# Altium PCB SensorMotherBoard.PcbDoc (part 2 of 2) (continued)
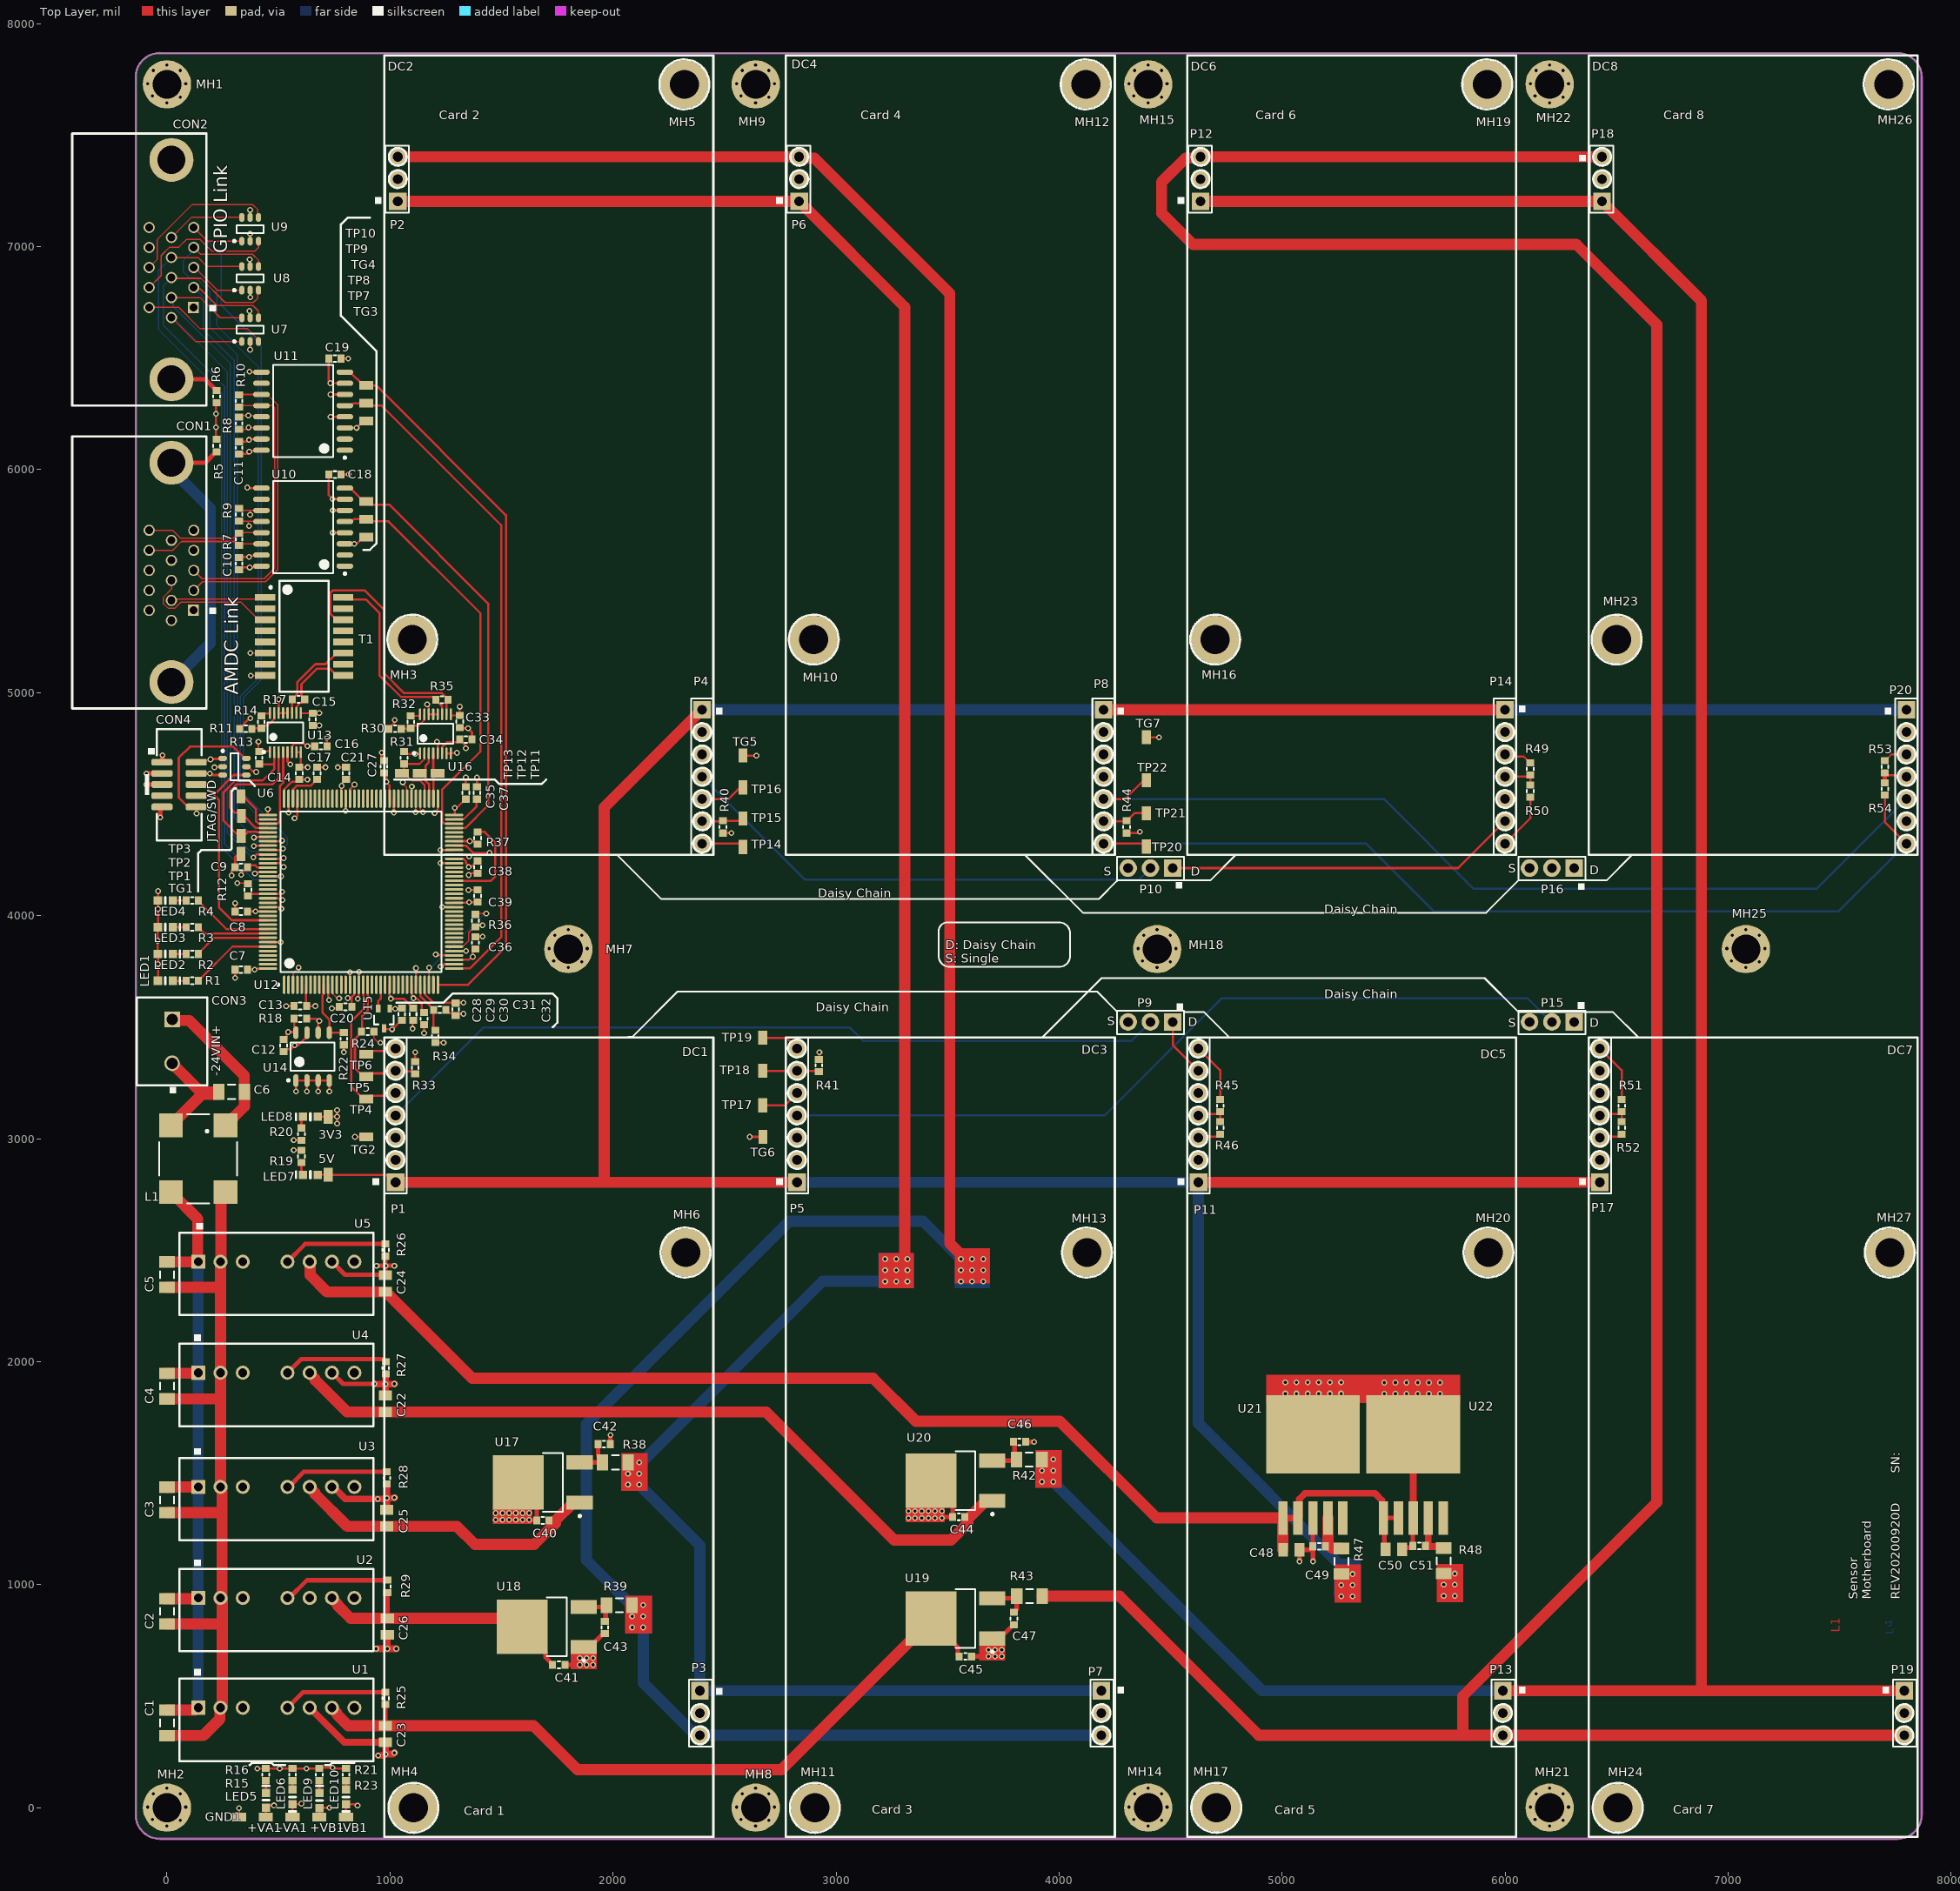
[diagram p0: Top Layer view]
## Nets (pads, with @x,y where several pads share a name; then routed paths per layer and width w, separated by ;. In a path a pad name is that pad's centre, name@x,y a point inside that pad or via, vN(x,y) a via of type N, cw(c..) or ccw(c..) an arc to the next point about the centre after c; other vN are vias at no path point) (continued)
GND_CN: C10.2 C11.2 CON1.11 U10.9 U10.15 U11.9 U11.15 | length 1031.3
  Top Layer w10: C10.2@322.91,5605.56 326.2,5608.85 v1(368.26,5608.85) 372.59,5608.85 378.43,5614.68 420.98,5614.68 U10.15@423.58,5617.29 ; C11.2@322.91,6125.56 357.77,6125.56 368.51,6136.31 v1@369.97,6136.31 ; v1(360,5920) 362.71,5917.29 U10.9@423.58,5917.29 ; v1(367.81,6134.15) v1@369.97,6136.31 ; v1@371.22,6136.31 v1@369.97,6136.31 ; v1@372.02,6437.98 U11.9@422.89,6437.98 ; U11.15@423.58,6137.29 423.23,6137.65 371.3,6137.65 v1@369.97,6136.31
  Top Layer w20: v1(370,6440) v1@372.02,6437.98 ; U11.9@422.89,6437.98 U11.9@423.58,6437.29
  Layer 1 w50: CON1.11@-80,5368.94 -80,5329.29 -17.27,5266.56 117.27,5266.56 325.31,5474.6 325.31,5613.73
GNDIN: C1.2 C2.1 C3.1 C4.1 C5.1 L1.3 U1.1 U2.1 U3.1 U4.1 U5.1 | length 3096.8
  Top Layer w50: C2.1@-9.84,937.09 C2.1@0,937.09 U2.1@144.96,937.09 ; C1.2@0,437.09 125.57,437.09 136.48,448 U1.1@140,448 ; C4.1@0,1947.09 0.59,1947.68 137.68,1947.68 U4.1@140,1950 ; C5.1@0,2447.09 0.46,2447.54 134.66,2447.54 137.56,2450.44 137.56,2640 L1.3@17.56,2760 L1.3@7.56,2750 ; C3.1@0.59,1436.5 C3.1@0,1437.09 0.59,1437.68 141.83,1437.68 143.52,1435.99 U3.1@145.84,1438.31
  Bottom Layer w50: U1.1@140,448 U2.1@140,940.21 ; U5.1@140,2448 U4.1@140,1950 U3.1@140,1438.31 140,946.21 140.87,945.34 U2.1@140.95,945.34
I2C_SCL: R18.1 U12.11 U14.6 | length 298.4
  Top Layer w10: R18.1@625.56,3538 670.21,3538 680.21,3528 v1(682.91,3528) 682.91,3525.29 677.91,3520.29 U14.6@677.91,3475.28 ; U12.11@722.36,3689.97 722.71,3689.62 722.71,3625.03 v1(726.92,3620.81)
  Layer 2 w10: v1(682.91,3528) 682.91,3576.29 726.92,3620.31 v1(726.92,3620.81)
I2C_SDA: R22.1 U12.10 U14.5 | length 295.1
  Top Layer w10: U12.10@702.68,3689.97 702.33,3689.62 702.33,3647.84 696.81,3642.32 696.81,3566.27 727.91,3535.16 U14.5@727.91,3475.28 792.64,3475.28 R22.1@792.91,3475.56
IM1: R35.2 T1.14 U16.10 | length 1132.4
  Top Layer w10: T1.14@790,5327.29 760,5327.29 732.5,5354.79 732.5,5447.47 743.03,5458 886.97,5458 972.91,5372.06 972.91,5088 1062.71,4998.2 1184.42,4998.2 ; 1184.43,4998.22 1226.28,4998.22 1226.5,4998 1232.44,4998 1260.47,4969.97 1252.91,4962.41 U16.10@1252.91,4903.2
IM2: R17.2 T1.9 U13.10 | length 383.6
  Top Layer w10: U13.10@579.93,4908.61 579.93,4935.25 601.96,4957.28 606.81,4957.28 616,4966.47 R17.2@616,4971.56 ; R17.2@617.56,4970 R17.2@616,4971.56 ; T1.9@790,5077.29 760,5077.29 729.29,5108 672.91,5108 602.91,5038 602.91,4986.61 616,4973.53 R17.2@616,4971.56
IO1: CON2.2 U7.4 U12.114 | length 3006.6
  Top Layer w6: CON2.2@120,6816.78 126.43,6810.35 149.65,6810.35 223.95,6736.05 385.19,6736.05 408.44,6712.8 408.44,6683.02 U7.4@410.31,6681.15
  Top Layer w10: v1(390,4350) 393.35,4353.35 U12.114@452.68,4353.35
  Bottom Layer w6: CON2.2@120,6816.78 162.91,6773.87 162.91,6628 302.41,6488.5 302.41,4438.5 390,4350.91 v1(390,4350)
IO2: CON2.3 U8.1 U12.115 | length 3125.8
  Top Layer w6: CON2.3@120,6906.54 123.46,6906.54 225.15,6804.85 U8.1@335.51,6804.85
  Top Layer w10: U12.115@452.68,4333.67 453.02,4334.02 514.05,4334.02 v1(516.5,4336.47)
  Bottom Layer w6: CON2.3@120,6906.54 124.37,6906.54 222.91,6808 222.91,6647.09 409.41,6460.59 409.41,5064.5 329.41,4984.5 329.41,4525.19 516.5,4338.1 v1(516.5,4336.47)
IO3: CON2.4 U8.4 U12.116 | length 3281.1
  Top Layer w6: CON2.4@120,6996.31 150.01,6966.3 383.85,6966.3 410.31,6939.83 U8.4@410.31,6911.15
  Top Layer w10: v1(388.98,4311.88) 390.74,4313.64 452.33,4313.64 U12.116@452.68,4313.98
  Bottom Layer w6: CON2.4@120,6996.31 120,6985.09 72.91,6938 72.91,6888 100.99,6859.92 130.99,6859.92 192.91,6798 192.91,6638 315.91,6515 315.91,4465 415.18,4365.73 415.18,4340.27 388.98,4314.07 v1(388.98,4311.88)
IO4: CON2.5 U9.1 U12.117 | length 3345.2
  Top Layer w6: CON2.5@120,7086.07 181.22,7024.85 U9.1@335.51,7024.85
  Top Layer w10: U12.117@452.68,4294.3 509.97,4294.3 515.67,4300 v1(520,4300)
  Bottom Layer w6: CON2.5@120,7086.07 242.91,6963.16 242.91,6738 422.91,6558 422.91,5058 342.91,4978 342.91,4547.09 540,4350 540,4320 v1(520,4300)
IO5: CON2.6 U7.1 U12.118 | length 3012.6
  Top Layer w6: CON2.6@20,6682.13 127.28,6574.85 U7.1@335.51,6574.85
  Top Layer w10: v1(387.91,4261.39) 401.48,4274.96 452.33,4274.96 U12.118@452.68,4274.61
  Bottom Layer w6: CON2.6@20,6682.13 27.87,6682.13 271.24,6438.76 271.24,4370.58 380.43,4261.39 v1(387.91,4261.39)
IO6: CON2.7 U7.6 U12.119 | length 3220.3
  Top Layer w6: CON2.7@20,6771.9 23.9,6768 27.8,6771.9 148.1,6771.9 238.85,6681.15 U7.6@335.51,6681.15
  Top Layer w10: U12.119@452.68,4254.93 453.02,4255.28 520.19,4255.28 v1(522.91,4258)
  Bottom Layer w6: CON2.7@20,6771.9 27.55,6764.35 27.55,6732.45 284.74,6475.26 284.74,4376.17 372.91,4288 402.91,4288 432.91,4258 v1(522.91,4258)
IO7: CON2.8 U8.3 U12.122 | length 3399.5
  Top Layer w6: CON2.8@20,6861.66 23.66,6858 152,6858 260.45,6749.55 387.59,6749.55 407.39,6769.35 407.39,6801.92 U8.3@410.31,6804.85
  Top Layer w10: v1(394.18,4189.05) 398.51,4189.05 404.99,4195.53 452.33,4195.53 U12.122@452.68,4195.87
  Bottom Layer w6: CON2.8@20,6861.66 -15.5,6826.16 -15.5,6646.41 257.74,6373.17 257.74,4321.35 390.04,4189.05 v1(394.18,4189.05)
IO8: CON2.9 U8.6 U12.123 | length 3509
  Top Layer w6: CON2.9@20,6951.43 139.49,6951.43 179.76,6911.15 U8.6@335.51,6911.15
  Top Layer w10: U12.123@452.68,4176.19 v1(511.1,4176.19)
  Bottom Layer w6: CON2.9@20,6951.43 -37.09,6894.34 -37.09,6628 244.24,6346.67 244.24,4305.76 388.34,4161.66 491.97,4161.66 506.5,4176.19 v1(511.1,4176.19)
IO9: CON2.10 U9.6 U12.77 | length 3515
  Top Layer w6: CON2.10@20,7041.19 109.96,7131.15 U9.6@335.51,7131.15 ; U12.77@1135.75,4524.61 1135.75,4476.35 1148.24,4463.86 v1(1148.24,4463.77)
  Layer 2 w6: CON2.10@20,7041.19 20,7040.91 82.91,6978 82.91,6693.89 98.8,6678 186.74,6678 970,5894.74 970,5200.04 986.35,5183.68 986.35,4726.41 1148.24,4564.52 v1(1148.24,4463.77)
IO10: CON2.11 U7.3 U12.78 | length 3433.6
  Top Layer w6: CON2.11@-80,6727.02 -79.02,6728 52.91,6728 148.87,6632.05 360.99,6632.05 410.31,6582.72 U7.3@410.31,6574.85 ; v1(1114.74,4463.94) 1115.4,4464.61 1115.4,4523.95 U12.78@1116.06,4524.61
  Layer 2 w6: CON2.11@-80,6727.02 -80,6666.77 -7.84,6594.61 56.31,6594.61 862.91,5788 862.91,4688.45 1083.58,4467.78 1084.65,4467.78 1090.97,4461.46 1112.26,4461.46 v1(1114.74,4463.94)
IO11: CON2.12 U9.3 U12.79 | length 3555.3
  Top Layer w6: CON2.12@-80,6816.78 -25.78,6871 -25.78,6960.76 11.46,6998 52.91,6998 86.72,7031.81 149.11,7031.81 201.11,6979.8 394.71,6979.8 410.31,6995.4 U9.3@410.31,7024.85 ; v1@1094.86,4579.4 1095.62,4578.64 1095.62,4525.37 U12.79@1096.38,4524.61
  Layer 2 w6: CON2.12@-80,6816.78 -80,6808.73 -27.09,6755.82 -27.09,6658 2.91,6628 82.91,6628 902.91,5808 902.91,4717.09 1050,4570 1080,4570 1082.57,4572.57 1082.62,4572.57 1089.45,4579.4 v1@1094.86,4579.4
  other v1: 1098,4579.4
IO12: CON2.13 U9.4 U12.80 | length 3612.8
  Top Layer w6: CON2.13@-80,6906.54 -44.5,6942.04 -44.5,7031.81 111.69,7188 385.88,7188 407.39,7166.49 407.39,7134.08 U9.4@410.31,7131.15 ; v1(1057.31,4597.81) 1057.31,4592.4 1073.41,4576.3 1073.41,4564.9 1076.69,4561.62 U12.80@1076.69,4543.12
  Layer 2 w6: CON2.13@-80,6906.54 -78.54,6908 32.91,6908 62.91,6878 62.91,6676.21 937.8,5801.33 937.8,4722.53 1057.31,4603.02 v1(1057.31,4597.81)
IP1: R35.1 T1.16 U16.11 | length 847.1
  Top Layer w10: T1.16@790,5427.29 798.8,5418.5 892.42,5418.5 952.91,5358 952.91,5078 1050.21,4980.7 1194.61,4980.7 1205.35,4969.96 1205.35,4966.03 1233.23,4938.16 U16.11@1233.23,4903.2
IP2: R17.1 T1.11 U13.11 | length 429.3
  Top Layer w10: U13.11@560.24,4908.61 R17.1@560.24,4970 ; R17.1@562.44,4971.97 579.68,4989.21 583.66,4993.18 583.66,4999.2 583.66,5046.3 665.35,5128 710.71,5128 760,5177.29 T1.11@790,5177.29 ; R17.1@562.44,4972.2 579.56,4989.32
LED0: R4.2 U12.135 | length 366.4
  Top Layer w10: R4.2@140.47,4068 140.47,4066.03 266.54,3939.97 U12.135@452.68,3939.97
LED1: R3.2 U12.136 | length 324.8
  Top Layer w10: R3.2@140.47,3948 140.47,3946.03 151.22,3935.28 153.19,3935.28 168.19,3920.28 U12.136@452.68,3920.28
LED2: R2.2 U12.137 | length 343.4
  Top Layer w10: R2.2@140.47,3828 140.47,3829.97 211.1,3900.6 U12.137@452.68,3900.6
LED3: R1.2 U12.139 | length 376.8
  Top Layer w10: R1.2@140.47,3708 140.47,3709.97 151.22,3720.72 153.19,3720.72 293.7,3861.23 U12.139@452.68,3861.23
NetC6_1: C6.1 CON3.1 L1.1 | length 686.5
  Top Layer w50: CON3.1@22.91,3534.85 26.74,3531.02 40.88,3531.02 41.91,3530 100,3530 346.5,3283.5 346.5,3210.59 C6.1@347.09,3210 347.09,3144.65 L1.1@262.44,3060
NetC6_2: C6.2 CON3.2 L1.2 | length 546.3
  Top Layer w50: L1.2@17.56,3060 157.13,3199.57 232.32,3199.57 232.91,3200.16 C6.2@232.91,3210 150.91,3210 CON3.2@22.91,3338
NetC17_1: C17.1 U12.106 | length 169.2
  Top Layer w10: U12.106@564.88,4524.61 565.23,4524.96 565.23,4566.74 580.68,4582.19 644.66,4582.19 660.2,4597.72 660.2,4599.69 670.94,4610.44 C17.1@672.91,4610.44
NetC31_1: C31.1 R34.2 U12.32 | length 232.2
  Top Layer w10: U12.32@1135.75,3689.97 1136.09,3689.62 1136.09,3639.23 1195.35,3579.97 C31.1@1195.35,3578 1195.35,3528 1195.35,3493.12 R34.2@1202.91,3485.56
NetC37_1: C37.1 U12.71 | length 156.5
  Top Layer w10: U12.71@1287.32,4432.09 1287.67,4432.44 1329.45,4432.44 1388.03,4491.03 C37.1@1388.03,4522.44
NetC42_2: C42.2 R38.2 U17.3 | length 193.5
  Top Layer w20: U17.3@1850.32,1548 R38.2@1953.23,1548 1953.23,1557.84 1932.44,1578.63 C42.2@1932.44,1630
NetC43_1: C43.1 R39.1 U18.3 | length 170.6
  Top Layer w20: U18.3@1868.4,900.17 1963.72,900.17 1967.38,903.84 1967.38,839.27 C43.1@1963.44,835.33
NetC46_2: C46.2 R42.2 U20.3 | length 223.4
  Top Layer w20: U20.3@3700.32,1556 3804.03,1556 R42.2@3804.03,1566.58 ; R42.2@3793.73,1586.72 R42.2@3800.63,1579.82 ; C46.2@3794.88,1640 3800.63,1634.25 R42.2@3800.63,1579.82 ; R42.2@3809.32,1561.29 R42.2@3804.03,1566.58 ; R42.2@3800.63,1579.82 3804.03,1576.42 R42.2@3804.03,1566.58 ; R42.2@3800.63,1579.82 3800.63,1569.98 R42.2@3804.03,1566.58
NetC47_1: C47.1 R43.1 U19.3 | length 183.2
  Top Layer w20: U19.3@3700.32,937.96 3800.28,937.96 R43.1@3803.86,941.54 ; C47.1@3797.41,875.56 3798.11,875.56 3810.32,887.76 R43.1@3810.32,948
NetC49_2: C49.2 R47.1 U21.4 | length 184.6
  Top Layer w50: C49.2@5205.28,1179.37 U21.4@5205.28,1299.02 ; C49.2@5208.2,1179.37 5225.24,1162.33 5265.24,1162.33 R47.1@5265.83,1161.74
NetC51_2: C51.2 R48.1 U22.4 | length 211.2
  Top Layer w30: C51.2@5642.05,1173.75 5642.05,1171.78 5642.8,1171.03 5717.21,1171.03 R48.1@5724.49,1163.75 ; C51.2@5655.28,1175.6 U22.4@5655.28,1299.02
NetLED1_C: LED1.C R1.1 | length 59
  Top Layer w10: LED1.C@26.38,3708 R1.1@85.35,3708
NetLED2_C: LED2.C R2.1 | length 59
  Top Layer w10: LED2.C@26.38,3828 R2.1@85.35,3828
NetLED3_C: LED3.C R3.1 | length 59
  Top Layer w10: LED3.C@26.38,3948 R3.1@85.35,3948
NetLED4_C: LED4.C R4.1 | length 59
  Top Layer w10: LED4.C@26.38,4068 R4.1@85.35,4068
NetLED5_C: LED5.C R15.2 | length 54.7
  Top Layer w10: R15.2@442.91,120.44 444.18,119.18 LED5.C@444.18,66.3
NetLED6_A: LED6.A R16.2 | length 39
  Top Layer w10: LED6.A@562.91,81.46 R16.2@562.91,120.44
NetLED7_C: LED7.C R19.2 | length 57.6
  Top Layer w10: R19.2@602.91,2892.88 602.91,2844.54 LED7.C@609.45,2838
NetLED8_C: LED8.C R20.2 | length 52.7
  Top Layer w10: R20.2@602.91,3048 602.91,3091.46 LED8.C@609.45,3098
NetLED9_C: LED9.C R21.2 | length 55.9
  Top Layer w10: R21.2@682.91,120.44 682.91,66.36 LED9.C@684.17,65.1
NetLED10_A: LED10.A R23.2 | length 39
  Top Layer w10: LED10.A@802.91,81.46 R23.2@802.91,120.44
NetR11_2: R11.2 R14.1 U13.15 | length 145.5
  Top Layer w9: R11.2@380.47,4838 382.91,4840.44 R14.1@422.91,4840.44 434.16,4851.69 450.51,4851.69 481.31,4882.49 481.31,4908.42 U13.15@481.5,4908.61
NetR14_2: R14.2 U13.16 | length 45.1
  Top Layer w9: R14.2@422.91,4895.56 434.16,4906.81 461.36,4906.81 461.82,4907.27 U13.16@461.82,4908.61
NetR25_1: R25.1 U1.5 | length 468.8
  Top Layer w20: U1.5@540,448 609.56,517.56 R25.1@980,517.56
NetR26_2: R26.2 U5.5 | length 473
  Top Layer w20: U5.5@540,2448 619.56,2527.56 R26.2@980,2527.56
NetR27_1: R27.1 U4.5 | length 471
  Top Layer w20: U4.5@540,1950 601.5,2011.5 966.7,2011.5 978.62,1999.58 R27.1@980.59,1999.58
NetR28_1: R28.1 U3.5 | length 468
  Top Layer w20: U3.5@545.84,1438.31 613.4,1505.87 R28.1@985.84,1505.87
NetR29_1: R29.1 U2.5 | length 473
  Top Layer w20: U2.5@548.09,940.21 627.65,1019.77 R29.1@988.09,1019.77
NetR30_2: R30.2 R32.1 U16.15 | length 146.2
  Top Layer w9: R30.2@1050.47,4838 1090.47,4838 R32.1@1092.91,4840.44 1104.16,4851.69 1128.91,4851.69 1154.3,4877.07 1154.3,4903.01 U16.15@1154.49,4903.2
NetR32_2: R32.2 U16.16 | length 49.3
  Top Layer w9: R32.2@1092.91,4895.56 1134.34,4895.56 1134.8,4896.02 U16.16@1134.8,4903.2
NetU12_23: U12.23 U15.2 | length 111.7
  Top Layer w10: U15.2@947.21,3583.01 947.21,3616.61 958.58,3627.98 U12.23@958.58,3689.97
NRST: C29.2 CON4.10 U6.6 U12.25 | length 2249
  Top Layer w10: v1(132.91,4458) 132.91,4486.32 CON4.10@131.24,4488 122.81,4496.43 86.2,4496.43 52.91,4529.72 52.91,4708 102.91,4758 295.95,4758 348.54,4705.4 U6.6@356.06,4705.4 ; U12.25@997.95,3689.97 998.3,3689.62 998.3,3633.86 v1(1004.16,3628) 1061.93,3628 1101.01,3588.92 C29.2@1102.98,3588.92
  Layer 2 w10: v1(132.91,4458) 132.91,4109.5 543.69,3698.73 827.33,3698.73 898.06,3628 v1(1004.16,3628)
SCLK15: P1.5 P11.5 TP4.1 U12.19 | length 4775.2
  Top Layer w10: U12.19@879.84,3689.97 880.19,3689.62 880.19,3638.74 882.03,3636.9 882.03,3581.72 825.41,3525.1 825.41,3233.69 881.1,3178 TP4.1@892.91,3178 907.6,3192.69 1013.63,3192.69 P1.5@1025.2,3204.25
  Layer 2 w10: P1.5@1025.2,3204.25 1037.91,3191.54 1099.38,3191.54 1642.91,2648 4002.91,2648 4546.01,3191.1 4612.05,3191.1 P11.5@4625.2,3204.25
SCLK26: P4.5 P14.5 TP16.1 U12.65 | length 5511.1
  Top Layer w10: U12.65@1287.32,4313.98 1287.67,4313.64 1342.52,4313.64 1375.8,4280.35 1445.15,4280.35 v1(1446.43,4281.62) ; P4.5@2399.64,4523.26 2519.05,4523.26 2571.1,4575.31 TP16.1@2582.91,4575.31
  Layer 2 w10: v1(1446.43,4281.62) 1447.41,4281.62 1448.68,4280.35 2156.73,4280.35 P4.5@2399.64,4523.26 3208.18,4523.26 3785.61,5100.69 5422.21,5100.69 P14.5@5999.64,4523.26
SCLK37: P5.5 P17.5 TP17.1 U12.128 | length 6830.7
  Top Layer w10: U12.128@452.68,4077.76 505.02,4077.76 513.08,4069.71 v1(517.41,4069.71) ; TP17.1@2671.16,3149.27 2770.22,3149.27 P5.5@2825.2,3204.25
  Layer 2 w10: v1(517.41,4069.71) 701.2,4069.71 1112.91,3658 1342.91,3658 1792.91,3208 2821.45,3208 P5.5@2825.2,3204.25 3754.25,3204.25 4140,3590 4730,3590 5115.75,3204.25 P17.5@6425.2,3204.25
SCLK48: P8.5 P20.5 TP22.1 U12.41 | length 7671.5
  Top Layer w10: U12.41@1287.32,3841.54 1287.48,3841.7 1341.03,3841.7 v1(1341.18,3841.85) ; P8.5@4199.64,4523.26 4295.76,4523.26 4379.88,4607.38 TP22.1@4391.69,4607.38
  Layer 2 w10: v1(1341.18,3841.85) 1343.79,3844.46 1343.79,3869.85 1405,3931.06 1430.39,3931.06 1508.41,4009.09 4029.09,4009.09 4320,4300 4320,4402.9 P8.5@4199.64,4523.26
  Bottom Layer w10: P8.5@4199.64,4523.26 5456.74,4523.26 5860,4120 7396.38,4120 P20.5@7799.64,4523.26
SH_CON: CON1.SH1 CON1.SH2 CON2.SH1 CON2.SH2 R5.2 R6.2 | length 2697.3
  Top Layer w20: CON1.SH2@20,6031.15 171.65,6031.15 220.94,6080.44 R5.2@222.91,6080.44 ; CON2.SH1@20,6405.36 171.14,6405.36 220.94,6355.56 R6.2@222.91,6355.56
  Layer 1 w50: CON2.SH1@20,6405.36 232.91,6618.28 232.91,7176.31 CON2.SH2@20,7389.22
  Bottom Layer w50: CON1.SH1@20,5047.29 194.1,5221.39 194.1,5825.9 52.39,5967.61 CON1.SH2@52.39,6006.68
SPI1_IM: CON1.8 T1.3 | length 627
  Top Layer w6: CON1.8@20,5503.59 20,5464.03 -15.5,5428.53 -15.5,5399.12 5.62,5378 34.38,5378 61.61,5405.23 332.55,5405.23 410.49,5327.29 T1.3@440,5327.29
SPI1_IN_N: CON1.3 R10.1 U11.12 | length 1284.2
  Top Layer w6: CON1.3@120,5548.47 156.97,5511.5 436.41,5511.5 482.91,5558 482.91,6278 473.62,6287.29 329.76,6287.29 R10.1@322.91,6280.44
SPI1_IN_P: CON1.2 R10.2 U11.11 | length 1346.7
  Top Layer w6: CON1.2@120,5458.71 159.29,5498 442,5498 496.41,5552.41 496.41,6290.05 449.17,6337.29 U11.11@423.58,6337.29 324.65,6337.29 R10.2@322.91,6335.56
SPI1_IP: CON1.7 T1.1 | length 475.6
  Top Layer w6: CON1.7@20,5413.83 24.91,5418.73 T1.1@431.44,5418.73 ; T1.1@440,5427.29 T1.1@431.44,5418.73 ; T1.1@481.44,5418.73 T1.1@431.44,5418.73
SPI1_OUT_N: CON1.13 R8.1 U11.13 | length 983.5
  Top Layer w6: R8.1@322.91,6235.56 329.54,6242.19 v1(365.09,6242.19) 418.69,6242.19 U11.13@423.58,6237.29
  Layer 2 w6: CON1.13@-80,5548.47 -44.5,5583.97 -44.5,5695.41 318.41,6058.33 318.41,6195.51 v1(365.09,6242.19)
SPI1_OUT_P: CON1.12 R8.2 U11.14 | length 1019.4
  Top Layer w6: R8.2@322.91,6180.44 357.02,6180.44 v1(365.43,6188.85) 422.02,6188.85 U11.14@423.58,6187.29
  Layer 2 w6: CON1.12@-80,5458.71 -80,5498.27 -31,5547.27 -31,5689.82 331.91,6052.73 331.91,6155.33 v1(365.43,6188.85)
SPI2_IM: CON1.10 T1.8 | length 917.2
  Top Layer w6: v1(375.46,5076.85) 438.14,5076.85 439.29,5078 T1.8@440,5077.29
  Layer 2 w6: CON1.10@20,5683.12 20,5643.56 -15.5,5608.06 -15.5,5565.5 0,5550 38.32,5550 58.18,5530.14 58.18,5314.77 296.1,5076.85 v1(375.46,5076.85)
SPI2_IN_N: CON1.5 R9.1 U10.12 | length 379.8
  Top Layer w6: R9.1@322.91,5770.44 325.35,5768 362.91,5768 ; v1(367.41,5747.5) 364.73,5750.18 364.73,5766.18 362.91,5768 ; U10.12@423.58,5767.29 422.87,5768 362.91,5768
  Layer 2 w6: CON1.5@120,5728 347.91,5728 v1(367.41,5747.5)
SPI2_IN_P: CON1.4 R9.2 U10.11 | length 571.1
  Top Layer w6: R9.2@322.91,5825.56 331.18,5817.29 372.91,5817.29 ; v1(372.91,5798) 372.91,5817.29 ; U10.11@423.58,5817.29 393.22,5817.29 372.91,5817.29
  Layer 2 w6: CON1.4@120,5638.24 120,5677.8 84.5,5713.3 84.5,5742.7 105.3,5763.5 134.7,5763.5 155.5,5742.7 317.62,5742.7 v1(372.91,5798)
SPI2_IP: CON1.9 T1.6 | length 717.3
  Top Layer w6: v1(373.89,5177.99) 439.28,5177.99 T1.6@440,5177.29
  Layer 2 w6: CON1.9@20,5593.35 71.68,5541.68 71.68,5328.32 222.01,5177.99 v1(373.89,5177.99)
SPI2_OUT_N: CON1.15 R7.1 U10.13 | length 498.2
  Top Layer w6: CON1.15@-80,5728 25.32,5728 60.82,5692.5 297.89,5692.5 320.94,5715.56 R7.1@322.91,5715.56 324.65,5717.29 U10.13@393.22,5717.29
SPI2_OUT_P: CON1.14 R7.2 U10.14 | length 530.9
  Top Layer w6: CON1.14@-80,5638.24 25.32,5638.24 65.09,5678 304.68,5678 308.2,5674.49 308.2,5673.19 320.94,5660.44 R7.2@322.91,5660.44 329.76,5667.29 U10.14@423.58,5667.29
SWCLK: CON4.4 U6.3 U12.109 | length 474
  Top Layer w10: CON4.4@131.24,4638 v1(192.91,4638) 195.62,4638 203.02,4630.6 U6.3@249.76,4630.6 ; v1(452.41,4478) 452.41,4452.04 U12.109@452.68,4451.78
  Layer 2 w10: v1(192.91,4638) 292.91,4638 452.41,4478.5 v1(452.41,4478)
SWDIO: CON4.2 U6.1 U12.105 | length 763.7
  Top Layer w10: CON4.2@131.24,4688 139.67,4696.43 186.31,4696.43 190.91,4701.03 v1(195.24,4701.03) ; U6.1@249.76,4705.4 U6.1@247.58,4703.22 ; v1(572,4437.09) 584.57,4449.65 U12.105@584.57,4524.61 ; v1(195.24,4701.03) 197.43,4703.22 U6.1@247.58,4703.22 ; v1(195.24,4701.03) 245.39,4701.03 U6.1@247.58,4703.22
  Layer 2 w10: v1(195.24,4701.03) 269.88,4701.03 540.91,4430 560.58,4430 567.67,4437.09 v1(572,4437.09)
SWO: CON4.6 U6.4 U12.133 | length 1038
  Top Layer w10: CON4.6@131.24,4588 163.52,4588 210.09,4541.43 ; U6.4@356.06,4630.6 299.25,4630.6 210.09,4541.43 ; U12.133@452.68,3979.34 291.57,3979.34 232.91,4038 232.91,4515.32 232.91,4518.61 210.09,4541.43
pads on no net: CON1.6 CON4.7 CON4.8 T1.2 T1.4 T1.5 T1.7 T1.10 T1.12 T1.13 T1.15 U1.3 U1.8 U2.3 U2.8 U3.3 U3.8 U4.3 U4.8 U5.3 U5.8 U10.1 U10.2 U10.10 U11.1 U11.2 U11.10 U12.1 U12.2 U12.4 U12.5 U12.7 U12.8 U12.9 U12.13 U12.14 U12.15 U12.21 U12.22 U12.24 U12.26 U12.27 U12.28 U12.29 U12.35 U12.43 U12.44 U12.45 U12.46 U12.47 U12.48 U12.49 U12.50 U12.53 U12.54 U12.55 U12.56 U12.58 U12.59 U12.60 U12.67 U12.68 U12.81 U12.82 U12.85 U12.86 U12.87 U12.88 U12.89 U12.90 U12.91 U12.92 U12.96 U12.97 U12.98 U12.99 U12.100 U12.101 U12.102 U12.103 U12.104 U12.110 U12.124 U12.125 U12.126 U12.129 U12.132 U12.134 U12.140 U12.141 U12.142 U12.143 U21.5 U22.5

## Polygon pours and split planes (outlines as drawn)
3V3 on Bottom Layer "3V3_L04_P054" (solid, pour order 54): -124.62,7866.27 -128.82,7866.27 -137.09,7858 -137.09,-122 -121.37,-137.72 7741.69,-137.9 7858.52,-21.08 7858.51,7729.34 7729.76,7858.1
no net on Bottom Layer "NONET_L04_P051" (solid, pour order 51): 590,2580
no net on Bottom Layer "NONET_L04_P050" (solid, pour order 50): 1280,1490
GND on Layer 1 "GND_L02_P055" (solid, pour order 55): -124.62,7866.27 -128.82,7866.27 -137.09,7858 -137.09,-122 -121.37,-137.72 7741.94,-137.9 7858.51,-21.33 7858.51,7727.98 7728.39,7858.1
SH_CON on Layer 1 "SH_CON_L02_P043" (solid, pour order 43): -120,6510 -120,5970 -40,5890 130,5890 190,5950 190,6540 -100,6540
GND_CN on Layer 1 "GND_CN_L02_P040" (solid, pour order 40): 300,5587.31 383.83,5587.31 400,5603.48 400,6470 320,6470 300,6450
no net on Layer 1 "NONET_L02_P053" (solid, pour order 53): 3420,2260
no net on Mechanical 15 "NONET_L-01_P-001" (solid): -140,7868
no net on Top Layer "NONET_L01_P045" (solid, pour order 45): -140,7868
no net on Top Overlay "NONET_L-01_P-001" (solid): 480,7610
5V on Layer 2 "5V_L03_P042" (solid, pour order 42): -124.62,7866.27 -128.82,7866.27 -137.09,7858 -137.09,-122 -121.37,-137.72 7740.95,-137.9 7858.52,-20.34 7858.51,7730.02 7730.44,7858.1

## Keep-outs
Keep-Out Layer:
  lines w10: 7867.99,7759.69 ccw(c7759.72,7759.69) 7759.72,7867.96 7759.72,7868 -31.97,7868 -31.73,7868.24 ccw(c-31.73,7759.97) -140,7759.97 -140,7760.64 -140,-31.73 ccw(c-31.73,-31.73) -31.73,-140 7759.6,-140 ccw(c7759.6,-31.73) 7867.86,-31.73 7868,-31.73 7868,7759.69 ; 7867.99,7759.69 7868,7759.69

## Other copper
Top Layer:
  rectangle net +15VB: 3892.23,1433.73 4012.23,1603.73
  rectangle net -15VA: 3531.92,2350 3690,2507.86
  rectangle net +15VA: 3191.92,2330 3350,2487.86
  rectangle net GND: 4928.07,1815.18 5798.51,1942.04
  rectangle net GND: 3311.36,1279.5 3487.42,1348.51
  rectangle net GND: 3641.14,658.99 3759.5,728
  rectangle net GND: 1461.36,1271.5 1637.42,1340.51
  rectangle net GND: 1809.22,621.2 1927.58,690.21
  rectangle net 3V3: 5693.23,922.02 5813.23,1092.02
  rectangle net 5V: 5234.57,920.01 5354.57,1090.01
  rectangle net +15VA: 2036.15,1420.44 2156.15,1590.44
  rectangle net -15VA: 2054.23,780.21 2174.23,950.21
  text "L1" at 7501.39,785.4 h40 r90
Layer 1:
  text "L2" at 7583.43,779.24 h40 r90
Layer 2:
  text "L3" at 7664.84,779.32 h40 r90
Bottom Layer:
  rectangle net -15VA: 2056.15,780.44 2176.15,950.44
  rectangle net +15VA: 2036.15,1420.44 2156.15,1590.44
  rectangle net -15VA: 3530,2330 3690,2490
  rectangle net +15VA: 3190,2330 3350,2490
  rectangle net +15VB: 3892.23,1433.73 4012.23,1603.73
  rectangle net 5V: 5231.65,946.27 5351.65,1116.27
  text "L4" at 7742.79,775.44 h40 r90

## Silkscreen, mask and mechanical layers (free items; w line width, h text height)
Top Overlay:
  rectangle: 6325.71,3581.7 6355.71,3611.7
  rectangle: 6326.79,4115.65 6356.79,4145.65
  rectangle: 4526.89,3577.25 4556.89,3607.25
  rectangle: 4523.14,4121.09 4553.14,4151.09
  rectangle: -84.66,4721.7 -54.66,4751.7
  rectangle: 931.58,7192.2 961.58,7222.2
  rectangle: 2461.58,4902.2 2491.58,4932.2
  rectangle: 2731.58,7192.2 2761.58,7222.2
  rectangle: 4261.58,4902.2 4291.58,4932.2
  rectangle: 4531.58,7192.2 4561.58,7222.2
  rectangle: 6061.58,4912.2 6091.58,4942.2
  rectangle: 6331.58,7382.2 6361.58,7412.2
  rectangle: 7701.57,4902.2 7731.57,4932.2
  rectangle: 7691.57,512.2 7721.57,542.2
  rectangle: 6331.58,2792.2 6361.58,2822.2
  rectangle: 6061.58,512.2 6091.58,542.2
  rectangle: 4531.58,2792.2 4561.58,2822.2
  rectangle: 4261.58,512.2 4291.58,542.2
  rectangle: 2731.58,2792.2 2761.58,2822.2
  rectangle: 2461.57,506.49 2491.57,536.49
  rectangle: 921.58,2792.2 951.58,2822.2
  rectangle: 121.58,592.2 151.58,622.2
  rectangle: 121.58,1082.2 151.58,1112.2
  rectangle: 121.58,1582.2 151.58,1612.2
  rectangle: 121.58,2092.2 151.58,2122.2
  rectangle: 131.58,2592.2 161.58,2622.2
  rectangle: 11.58,3202.2 41.58,3232.2
  rectangle: 190,5351.93 220,5381.93
  rectangle: 190,6710 220,6740
  lines w8: 2016.66,4273.97 2215.36,4075.27 4179.91,4075.27 4259.64,4155 4259.64,4158.26 ; 2068.05,3455.48 2085.48,3455.48 2290,3660 4170,3660 4259.64,3570.36 4259.64,3568.26 ; 3827.99,4271.93 3848.07,4271.93 4106.97,4013.03 5914.88,4013.03 ; 3883.96,3454.22 3924.22,3454.22 4190,3720 5907.9,3720 6059.64,3568.26 6482.99,3568.26 6596.67,3454.59 ; 4559.64,3568.26 4649.55,3568.26 4760,3457.81 ; 4559.64,4158.26 4678.26,4158.26 4790,4270 ; 5914.88,4013.5 6059.64,4158.26 6455,4158.26 6568.64,4271.9 ; 6834.92,3454.13 6835.87,3454.13 ; 3460,3820 ccw(c3510,3820) 3510,3770 4000,3770 ccw(c4000,3820) 4050,3820 4050,3920 ccw(c4000,3920) 4000,3970 3500,3970 ccw(c3500,3930) 3460,3930 3460,3820
  lines w10: 140,4110 140,4280 153.77,4293.77 282.5,4293.77 290,4301.27 290,4559.34 300.91,4570.26 309.19,4570.26 ; 320.63,4606.98 368.79,4606.98 394.01,4581.75 ; 370,190 380,200 470,200 480,190 530,190 ; 710,190 730,190 740,200 840,200 ; 880,5640 910,5640 940,5670 940,6210 940,6530 780,6690 780,6870 780,7100 810,7130 910,7130 ; 1020,4610 1470,4610 1490,4590 1640,4590 1680,4590 1700,4610 ; 1030,3610 1240,3610 1280,3650 1400,3650 1690,3650 1730,3650 1750,3630 1750,3520 1730,3500
  text "Card 2" at 1220,7570 h40
  text "Card 4" at 3110,7570 h40
  text "Card 6" at 4881.68,7570 h40
  text "Card 8" at 6710,7570 h40
  text "GPIO Link" at 270,6970 h60 r90
  text "AMDC Link" at 320,4990 h60 r90
  text "JTAG/SWD" at 220,4330 h40 r90
  text "S" at 6013.98,4192.54 h40
  text "D" at 6378.62,4185.22 h40
  text "S" at 4200,4180 h40
  text "D" at 4590,4180 h40
  text "Daisy Chain" at 2918.53,4081.68 h40
  text "Daisy Chain" at 5190,4010 h40
  text "D: Daisy Chain / S: Single" at 3490,3790 h40
  text "Daisy Chain" at 5190,3630 h40
  text "Daisy Chain" at 2910,3570 h40
  text "S" at 4215.51,3507.62 h40
  text "D" at 4577.84,3504.89 h40
  text "D" at 6378.62,3501.14 h40
  text "S" at 6013.56,3499.69 h40
  text "-24VIN+" at 240,3280 h40 r90
  text "SN:" at 7770,1500 h40 r90
  text "Sensor  / Motherboard" at 7640,933 h40 r90
  text "REV20200920D" at 7770,933 h40 r90
  text "Card 3" at 3161.68,-28.38 h40
  text "Card 7" at 6754.32,-28.33 h40
  text "Card 5" at 4967.19,-30.12 h40
  text "Card 1" at 1331.59,-33.74 h40
Top Solder:
  rectangle: 7434.7,761.37 7763.27,863.72
Bottom Solder:
  rectangle: 7435.07,759.12 7761.81,861.48
Mechanical 15:
  lines w8: -140,7759.97 cw(c-31.73,7759.97) -31.73,7868.24 ; -140,7760.64 -140,563 -140,-31.73 ccw(c-31.73,-31.73) -31.73,-140 7759.6,-140 ccw(c7759.6,-31.73) 7867.86,-31.73 ; -31.97,7868 7759.72,7868 ; 7759.72,7867.96 cw(c7759.72,7759.69) 7867.99,7759.69 7868,-31.73